# KiCad board RUSP_Mainboard.kicad_pcb (continued)
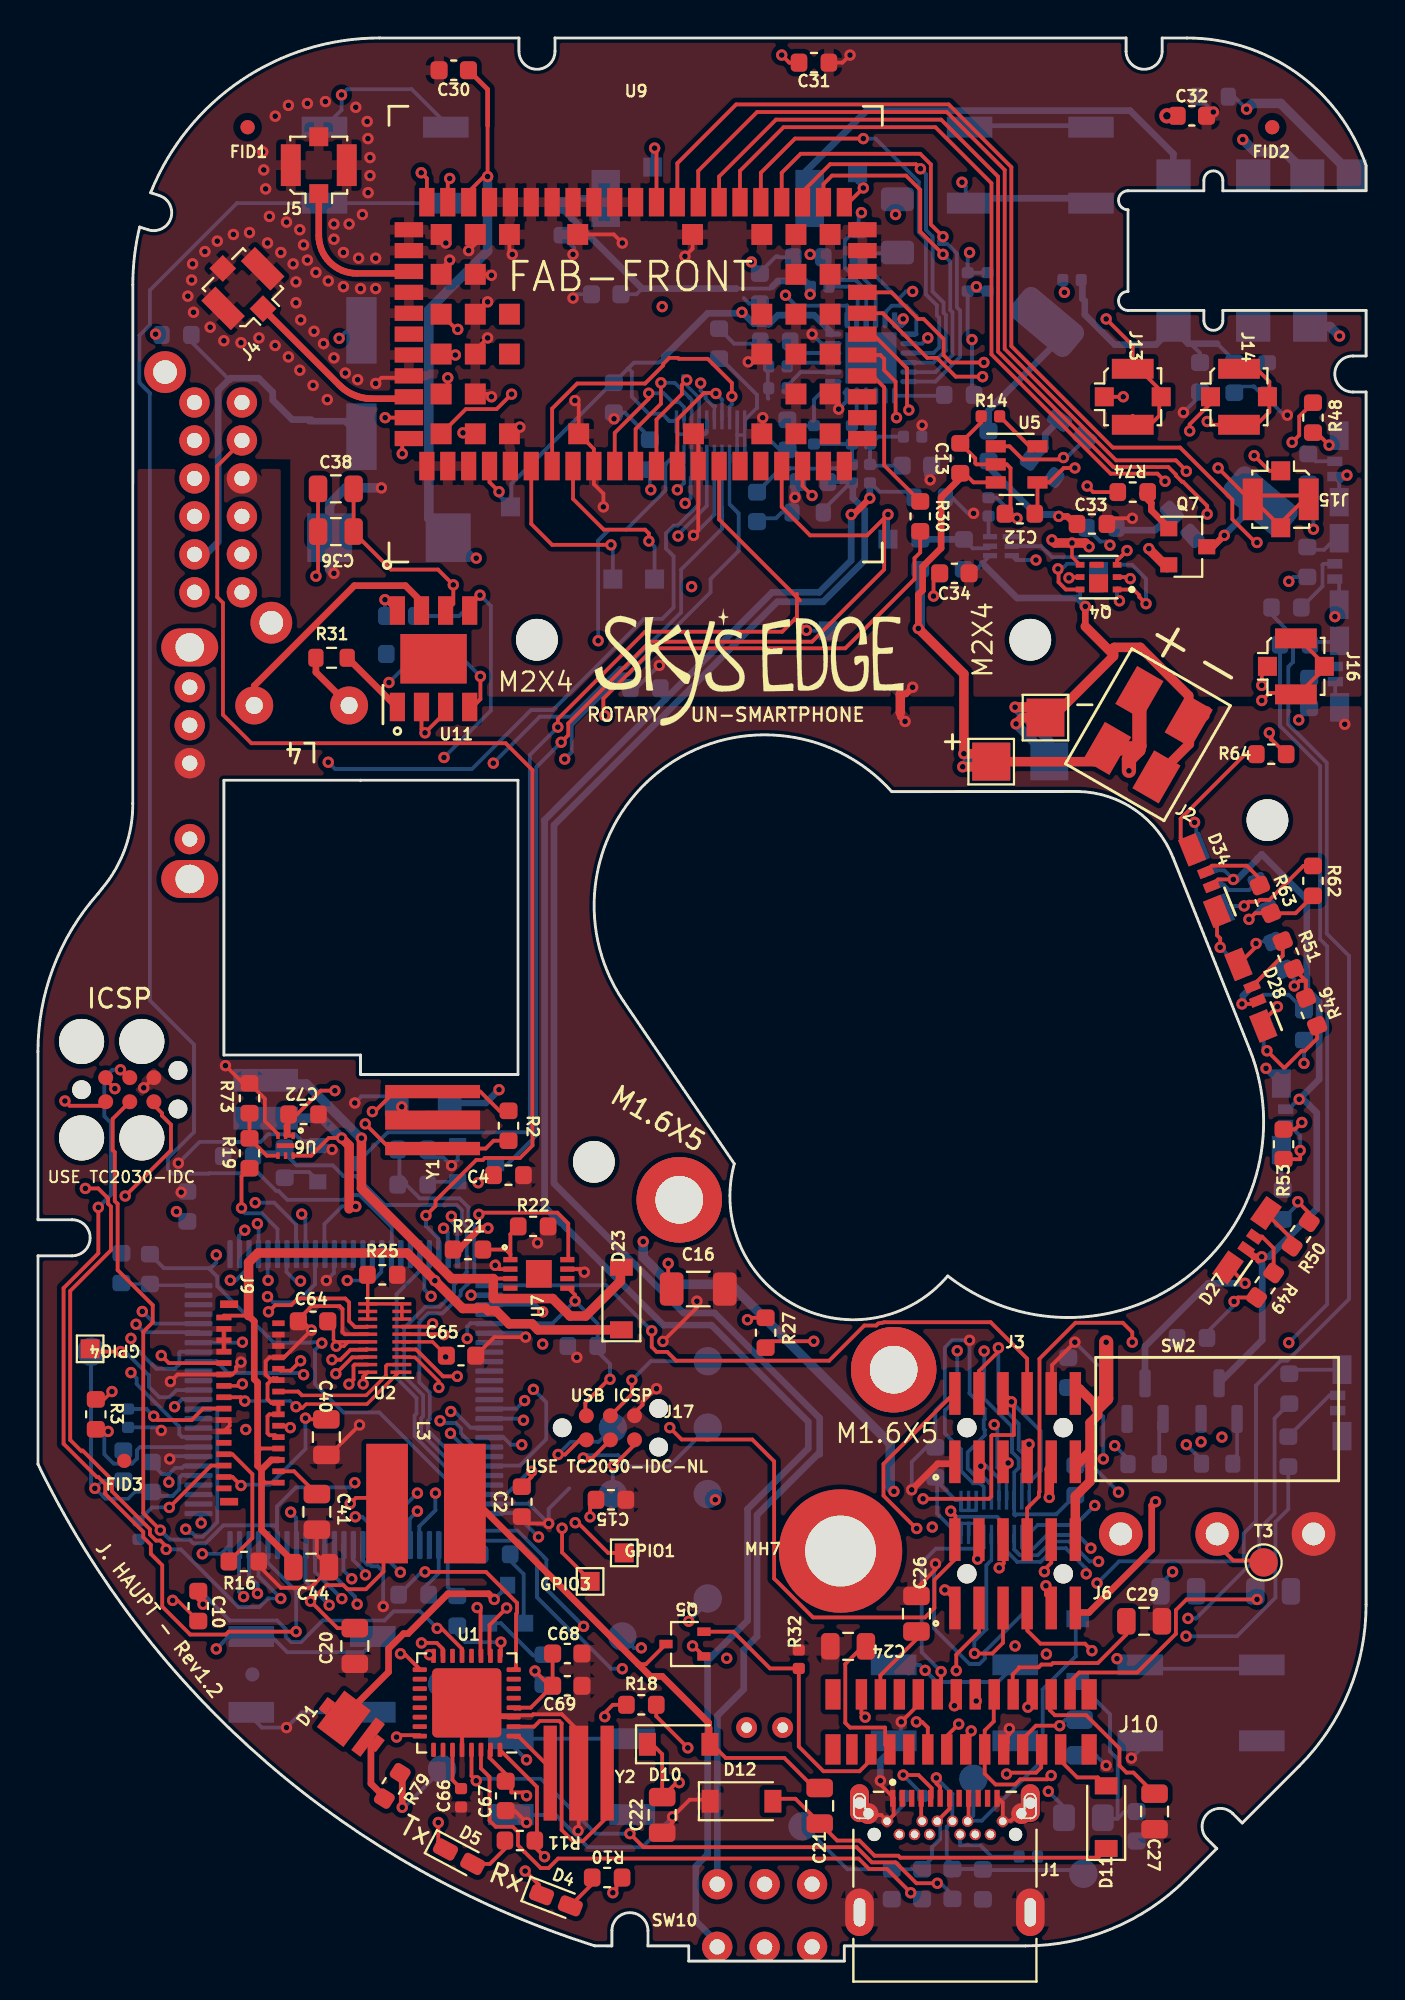
[diagram p0: board, top side]
## Routing (per net, layer and track width the routed paths; a pad name or vN(x,y) marks a point on that pad's centre or on a via; arc(x,y) is an arc through that point) (continued)
/3v3_EN: length 6
  L1_GND+GNDA.Cu w0.2: v1(10.73,39.67) 10.73,41.34 R19.2
  L6_GND.Cu w0.2: U4.56 12.62,38.56 11.79,39.39 10.91,39.39 10.85,39.45 10.85,39.55 v1(10.73,39.67)
/12v_EN: length 19.6
  L1_GND+GNDA.Cu w0.2: v1(23.24,39.33) 23.33,39.42 27.38,39.42 27.95,38.85 27.95,36.95
  L2_3v3+GNDA.Cu w0.2: v1(13.84,35.82) 14.62,36.6 20.51,36.6 v1(23.24,39.33)
  L6_GND.Cu w0.2: v1(13.84,35.82) 13.58,35.82 13.1,36.3 13.1,37.25
/EPAPER DRIVER/VDD: length 8.7
  L1_GND+GNDA.Cu w0.2: C29.1 57.36,17.2 55.86,15.7 53.49,15.7 53.41,15.62 52.89,15.62 52.74,15.47 51.7,15.47 51.7,15.42 51.37,15.1 51.37,14.03
GND: length 241.1
  L1_GND+GNDA.Cu w0.18: 54.94,73.53 54.5,73.97 v1(54.5,74.7)
  L1_GND+GNDA.Cu w0.2: v1(18.29,71.71) 18.86,71.14 U11.8 ; v1(51.2,12.24) 51.2,11.94 51.11,11.85 51.11,11.51 50.87,11.28 ; v1(26.33,37.83) 26.33,37.98 26.26,38.05 ; 48.33,18.36 48.33,19.02 v1(47.8,19.55) ; U2.15 16.18,33.02 16.05,33.15 16.05,34.35 15.9,34.5 14.42,34.5 13.62,33.7 ; v1(10.7,31.55) 10.45,31.3 10.45,31.1 10.25,30.9 J9.21 7.36,30.9 v1(6.98,30.52) ; v1(32.94,32.64) 34.73,34.43 v1(34.73,34.76) ; J9.29 J9.27 J9.25 ; 15.16,26.66 C40.2 15.37,26.66 v1(16.95,28.24) ; U1.33 23.25,12.95 26.05,12.95 26.1,13 27.61,13 ; C41.2 14.7,21.4 15.15,20.95 ; v1(45.5,12.6) 46.4,13.5 J10.8 ; v1(28.79,36.29) 28.63,36.45 U7.7 ; J9.11 10.1,28.2 10.1,28.4 10,28.5 J9.13 ; 15.3,20.6 14.36,19.66 12.8,19.66 11.64,20.82 R16.2 ; U1.28 22.35,12.55 22.6,12.8 ; 23.5,13.35 24,12.85 U1.3 ; C65.2 24.05,32.87 v1(25.7,32.87) ; U6.3 12.65,43.56 11.96,44.25 11.96,45.43 R73.1 10.81,46.24 v1(9.88,47.17) ; v1(54.65,32.6) 53.45,31.4 53.45,30.05 ; 44.3,7.69 44.3,7.69 44.45,7.69 44.75,7.39 ; R14.1 49.71,81.05 C13.1 49.4,79.16 49.4,78.9 49.46,78.84 U5.2 51.06,78.84 51.26,78.64 51.26,76.54 C12.2 51.2,76 v1(51.6,76) ; C64.2 13.95,33.7 v1(14.41,33.24) 12.97,31.8 J9.24 12.2,31.8 12,31.6 12,30.9 12.3,30.6 J9.20 12.67,30.62 12.6,30.7 12.4,30.7 12.1,30.4 12.1,29.6 12.3,29.4 J9.16 J9.14 12.2,28.8 12.1,28.7 12.1,27.8 12.2,27.7 12.5,27.7 12.6,27.6 J9.10 ; 13.8,33.7 13.9,33.6 ; U7.2 24.3,36.45 v1(24.1,36.65) ; v1(19.17,45) 19.87,44.3 Y1.2 ; v1(58.55,74.4) 58.75,74.4 Q7.2 ; C22.1 33.45,7.31 v1(33.45,7.6) 34.35,8.5 35.55,8.5 ; v1(26.92,23.05) 25.86,23.05 C2.2 25.8,23.72 ; 31.23,28.73 J17.6 31.44,28.88 31.87,29.3 31.87,29.47 32.55,30.15 v1(32.6,30.15) ; v1(44.4,9.5) 44.4,9.3 45.1,8.6 45.1,7.7 44.8,7.4 ; C38.1 14.76,73.06 v1(14.65,72.95) ; v1(28.46,6.86) 28.5,6.9 Y2.2 28.5,12.11 27.6,13.01 ; v1(47.3,20.92) 47.3,20.63 46.3,19.62 C26.2 ; 50.55,8.65 50.85,8.35 50.85,7.39 51.27,7.39 51.38,7.5 51.38,7.5 ; v1(25.75,7.3) 25.14,7.91 24.95,7.91 ; J7.6 v1(5.58,46)
  L1_GND+GNDA.Cu w0.35: NT2.1 45.45,65.55 v1(45.7,65.3) ; 48.33,26.06 48.33,26.17 48.3,26.2 47.42,26.2 v1(46.05,24.82) ; v1(58.55,74.4) 58.55,74.27 59.5,73.32
  L1_GND+GNDA.Cu w0.5: v1(55.4,74.5) 55.2,74.7 v1(54.5,74.7) 53.6,74.7 v1(53.44,74.86)
  L2_3v3+GNDA.Cu w0.2: v1(7.4,42.03) 7.4,43.65 5.58,45.48 v1(5.58,46)
  L6_GND.Cu w0.18: U8.15 50.25,25.07
  L6_GND.Cu w0.2: 50.05,88.9 50.02,88.93 C58.2 49,89.9 v1(49.1,90) ; v1(68.87,65.15) 68.6,65.42 68.6,66.05 ; SW8.2 13.9,13.1 v1(13.1,12.3) 11.8,12.3 11.2,12.9 ; 37.2,87.6 37.49,87.31 C56.2 38.05,87 ; C43.1 6.33,28.11 v1(6.5,27.95) ; 15.2,96.7 16,97.5 v1(16,98.3) 16.3,98.6 19.7,98.6 21.7,96.6 ; 68.35,78.15 68.58,77.92 68.58,76.85 ; 51.9,18.3 49.91,16.31 49.91,15.94 49.62,15.65 49.09,15.65 47.23,17.52 47.23,20.85 v1(47.3,20.92) ; v1(28.4,31.8) 27.92,32.27 C6.2 ; v1(15.2,35.85) 15.6,36.25 15.6,37.2 ; 7.88,40.23 7.61,40.5 v1(7.55,40.5) ; SW3.2 58.1,11.17 v1(57.63,10.69) ; 50.25,25.07 49.81,25.52 49.43,25.52 49,25.95 49,26.8 49.9,27.7 49.9,27.98 49.85,28.03 49.85,28.49 49.9,28.54 49.9,29.1 49.1,29.9 v1(49.1,32.7) 48.19,32.7 47.8,32.31 47.8,29.5 47.3,29 R75.2 46.83,27.06 46.05,26.29 v1(46.05,24.82) ; v1(45.2,92) 45.3,92.1 C57.2 ; 45.75,86.34 45.55,86.14 U12.12 45.24,86.14 v1(45.6,86.5) ; v1(7.4,42.03) 8.52,43.15 11.73,43.15 12.13,43.55 13.55,43.55 13.9,43.2 14.35,43.2 ; 47.5,27.04 47.42,27.11 ; 24.6,7.7 27.29,7.7 28.99,6 31.85,6 v1(33.45,7.6) ; C17.2 18.55,45.55 17.05,45.55 v1(16.7,45.2) ; 44.8,7.4 45.67,8.26 R5.2 ; v1(68.36,70.82) 68.58,71.04 68.58,72.72 68.45,72.85 ; v1(18.29,71.71) 18.29,70.96 18.3,70.95 ; SW6.2 45.5,12 v1(45.5,12.6) ; 20.36,42.32 21.38,42.32 v1(21.8,41.9) 22.12,42.23 Q1.2 ; 28,24.9 26.92,23.82 v1(26.92,23.05) 25.87,24.1 23.75,24.1 ; v1(51.2,12.24) 51.5,11.94 SW6.2 ; C25.2 55.76,10.84 v1(56.3,10.3) ; 68.37,67.4 68.37,66.33 68.55,66.15 ; 68.58,77.86 v1(68.99,78.27) ; R13.1 50.52,77.08 v1(51.6,76) ; v1(15.87,85.48) 16.19,85.8 17.05,85.8 ; Q6.2 24.4,17.8 26.1,16.1 26.85,16.1 ; 8.5,26.6 7.09,26.6 v1(6.94,26.45) ; 23.75,33.1 25.47,33.1 v1(25.7,32.87) ; 55.85,31.4 v1(54.65,32.6) 54.3,32.25 54.3,31.48 ; 55.7,96.6 56.2,96.6 ; 47.42,27.1 47.48,27.05 ; 17.1,21.95 17.1,21.14 17.35,20.89 17.49,20.89 17.58,20.8 17.91,20.8 18.2,20.51 v1(18.2,18.68) ; v1(15.5,42.75) 15.3,42.95 Q2.2 ; 25.8,7.6 25.8,7.35 v1(25.75,7.3)
  L6_GND.Cu w0.25: 48.9,96.6 48.98,96.68 55.62,96.68 55.7,96.6
  L6_GND.Cu w0.35: v1(44.4,9.5) 44.4,10.55 44.9,11.05
GNDA: length 79.2
  L1_GND+GNDA.Cu w0.2: U9.73 23.05,84.85 v1(23.7,85.5) ; U9.74 v1(23.7,87.4) ; U9.76 23.05,90.45 v1(22.7,90.1) ; U9.77 25.2,80.8 v1(25.4,80.8) ; U9.99 37.85,84.65 v1(37.44,84.24) ; C31.2 42.4,100 v1(42.8,100.4) ; U9.92 42.2,82.1 v1(42.2,81.75) ; v1(34.1,89.8) 34.5,90.2 U9.82 ; v1(23.9,88.8) 23.85,88.85 U9.75 ; v1(57.68,76) 56.65,76 56.4,75.75 ; v1(38.2,81.3) 38.2,80.5 U9.83 ; v1(34.55,75.1) 34.8,75.35 U9.14 34.8,80.2 U9.81 ; v1(22.4,80.5) 23,80.5 U9.71 ; U9.78 24.85,90.05 v1(25,89.9) ; v1(28.3,82.2) 28.5,82 U9.79 29.3,79.65 U9.9 29.3,77.8 29.8,77.3 v1(29.8,76.6) ; 19.3,83.4 18.1,83.4 v1(17.8,83.1) ; v1(21.5,90.5) 21.25,90.75 U9.70 ; 17.5,95.89 v1(17.39,96) ; U9.69 21.25,89.15 v1(21.7,89.6) ; v1(23.9,82.4) 23.75,82.55 U9.72 ; v1(30.8,90.5) 30.35,90.95 U9.80 ; 15.05,85 v1(15.05,85.2)
  L1_GND+GNDA.Cu w0.35: NT2.2 45.75,66.75 v1(46.1,67.1) ; 61.75,97.2 v1(61.95,97.4)
  L3_3v8+GNDA.Cu w0.2: v1(22.4,80.5) 22.6,80.7
  L6_GND.Cu w0.2: 46.81,78.77 46.81,78.24 v1(47.02,78.02) ; 39.77,76.47 39.77,77.41 40.33,77.96 ; 38.5,85.25 38.46,85.21 38.46,82.33 38.5,82.3 ; v1(30.36,81.24) 30.35,81.25 C39.2 30.94,81.56 32.25,80.25 C42.2 ; v1(34.55,75.1) 35.65,76.2 U10.15 ; v1(42.2,81.75) 42.65,82.2 U12.24 42.5,82.61 ; v1(61.95,97.4) 61.14,98.21 61.08,98.21 ; 63.2,82.94 64.09,82.94 64.5,82.53 ; v1(37.44,84.24) 38.28,84.24 38.52,84 ; v1(32.75,68.25) 32.73,68.25 31.53,67.05 ; 46.58,80.3 46.58,80.88 v1(46.6,80.9) ; U12.5 41.3,85.2 v1(40.8,85.7) ; v1(28.2,89.9) 28.25,89.85 28.25,89.8 28.25,90.25 27.65,90.85 ; C49.2 38.12,75.82 38.3,76 38.9,76 39.2,76.3 D16.2 ; R33.2 36.69,85.2 38.52,85.2 ; C47.2 40.06,77.26 v1(39.9,77.1) ; v1(49.31,76.26) 49.01,76.26 47.87,77.4 ; 64.6,82.5 65.67,81.43 v1(65.85,81.43) ; v1(28.2,87.6) 28.4,87.8 C61.2 ; 40.19,79.19 40.19,79.22 39.5,79.91 ; C60.2 61.25,82.45 v1(60.37,81.57) ; C50.2 39.09,79.61 38.2,80.5 v1(38.2,81.3)
  L6_GND.Cu w0.5: v1(15.6,73.1) 15.38,73.32 15.38,76.75 16.22,77.6 v1(18.1,77.6)
  vias: v1(7.9,87.7) v1(8.15,89.4) v1(8.1,88.55) v1(8.2,86.85) v1(8.8,90.05) v1(9.08,86.07) v1(9.45,90.6) v1(9.8,85.35) v1(10.3,90.95) v1(10.7,85.25) v1(11.15,91.05) v1(11.65,85.5) v1(11.85,95.3) v1(11.9,94.35) v1(12,93.35) v1(12.1,90.5) v1(12.2,91.9) v1(12.51,97.18) v1(12.5,85.1) v1(12.8,90) v1(13.1,91.6) v1(13.2,97.75) v1(13.2,84.5) v1(13.45,89.4) v1(13.6,88.45) v1(13.6,87.35) v1(13.8,91.2) v1(13.85,86.45) v1(13.8,83.8) v1(14,90.4) v1(14.2,97.85) v1(14.2,89.6) v1(14.55,85.85) v1(14.5,83) v1(14.65,88.95) v1(15.15,97.95) v1(15.3,88.5) v1(15.25,82.25) v1(15.6,91.5) v1(15.6,90.7) v1(15.6,84.45) v1(16.1,90) v1(16.1,88.2) v1(16.2,83.65) v1(16.4,91.5) v1(16.75,97.65) v1(16.9,89.7) v1(16.85,83.3) v1(17,88.1) v1(17.1,92) v1(17.35,96.9) v1(17.4,93.15) v1(17.5,95) v1(17.5,94.05) v1(17.8,89.7) v1(17.8,88.1)
VBUS: length 125
  L1_GND+GNDA.Cu w0.2: v1(54.65,78.65) 54.07,78.65 53.31,77.89 U5.4 52.68,76.38 C12.1 ; v1(25.75,8.71) 25.58,8.88 24.95,8.88 24.95,9.56 23.8,10.71 23.8,11.1 ; J6.3 49.59,18.59 49.59,17.34 48.4,16.14 v1(48.4,15.3)
  L2_3v3+GNDA.Cu w0.2: v1(53.25,8.94) 50,12.19 50,13.93 49.68,14.25 49.22,14.25 48.4,15.07 v1(48.4,15.3) 48.4,15.27 46.89,13.77 45.43,13.77 45.06,13.4 41.78,13.4 39.08,10.7 34.53,10.7 34.52,10.68 32.58,10.68 30.61,8.71 v1(25.75,8.71)
  L4_GND.Cu w0.5: v1(54.65,78.65) 56.05,78.65 59.5,75.2 59.5,70 59.1,69.6 59.1,62.83 64.9,57.03 64.9,53.31 64.85,53.26 64.85,51.74 66.03,50.56 66.03,47.34 65.52,46.84 65.52,39.11 61.1,34.69 61.1,33.26 51.77,23.93 51.77,19.71 48.4,16.33 v1(48.4,15.3)
  L6_GND.Cu w0.2: R17.2 54.07,78.65 v1(54.65,78.65) ; L1.2 54.08,8.12 v1(53.25,8.94)
+BATT: length 149.5
  L1_GND+GNDA.Cu w0.2: U5.3 49.31,77.89 48.83,78.37 C13.2
  L1_GND+GNDA.Cu w0.35: v1(46.4,70.2) 46.4,71.98 46.62,72.21 46.62,73.45 47.6,74.43 47.6,77.1 48.61,78.11 C13.2
  L1_GND+GNDA.Cu w0.5: v1(46.4,70.2) 48.8,67.8 v1(48.8,63.6) 49.82,63.6 TP2.1 ; 54.67,22.44 54.67,24.49 55.45,25.26 55.45,28.35 55.85,28.75 55.85,29.19 54.9,30.13 54.67,30.13 ; TP2.1 49.97,62.91 v1(48.74,62.91) ; TP2.1 55.65,63.18 J2.2 ; 54.67,26.06 55.45,26.84
  L1_GND+GNDA.Cu w0.75: v1(56.3,32.6) 56.3,29.64 55.85,29.19 ; 57.92,63.88 58.05,64.01 J2.2 ; 57.92,63.88 58,63.8 57.5,63.3 v1(57.5,62.7) ; 57.92,63.88 J2.2
  L2_3v3+GNDA.Cu w0.35: 8.7,80.05 9.5,80.85 9.5,82.7 10.08,83.28 11.74,83.28 12.38,82.64 12.38,81.12 26.9,66.6 42.8,66.6 v1(46.4,70.2)
  L5_3v8.Cu w0.75: v1(56.3,32.6) 57.38,33.68 64.95,33.68 68.08,36.8 68.08,52.02 66.7,53.4 66.7,55.76 63.08,59.39 63.08,59.47 58.75,63.8 58,63.8 ; v1(57.5,62.7) 58,63.2
  L6_GND.Cu w0.5: v1(46.4,70.2) 46.5,70.3 R12.1 ; v1(48.74,62.91) 49.02,63.19 TP4.1 49.84,63.6 v1(48.8,63.6)
/AREF: length 3.8
  L1_GND+GNDA.Cu w0.2: C2.1 26.02,25.51 v1(26.02,25.8)
  L6_GND.Cu w0.2: 23.75,24.6 24.7,24.6 25.9,25.8 v1(26.02,25.8)
/AUDIO/BLCK: length 24.8
  L1_GND+GNDA.Cu w0.2: v1(47.7,90.84) 47.06,91.47 47.06,94.64 46.5,95.2 40.2,95.2 39.2,94.2 U9.36
  L6_GND.Cu w0.2: U12.18 47.3,83.2 48.6,84.5 48.6,86.94 48.43,87.11 48.43,89.95 47.93,90.45 47.5,90.45 47.5,90.64 v1(47.7,90.84)
/AUDIO/LRCLK: length 18.9
  L1_GND+GNDA.Cu w0.2: v1(47.7,89.9) 46.5,91.1 46.5,93.3 45.75,94.05 41.85,94.05 41.4,93.6 U9.34
  L6_GND.Cu w0.2: v1(47.7,89.9) 48.08,89.52 48.08,86.97 48.2,86.85 48.2,84.59 47.31,83.7 U12.17
/AUDIO/MCLK: length 14
  L1_GND+GNDA.Cu w0.2: v1(40.8,77.2) 40.3,77.7 U9.19
  L2_3v3+GNDA.Cu w0.2: v1(46.9,85.5) 44.7,83.3 44.7,81.1 v1(40.8,77.2)
  L6_GND.Cu w0.2: v1(46.9,85.5) 46.6,85.2 U12.14
/AUDIO/SCL: length 24.9
  L1_GND+GNDA.Cu w0.2: U9.27 44,85.7 45.8,83.9 45.8,81.7 v1(45.9,81.7)
  L4_GND.Cu w0.2: v1(43.4,92.1) 42.8,91.5 42.8,89 43.2,88.6 43.2,84.3 43.3,84.3 v1(45.9,81.7)
  L6_GND.Cu w0.2: R37.2 43.25,91.95 v1(43.4,92.1) ; 43.1,91.2 42.53,90.63 42.53,89.2 42.83,88.9 43.24,88.9 43.97,88.17 43.97,88.05 44.15,87.87 U12.10 ; 43.25,91.25 43.25,91.6
/AUDIO/SDA: length 20.6
  L1_GND+GNDA.Cu w0.2: v1(40.7,89.9) 40.8,89.8 ; U9.26 44.4,84.6 44.6,84.4 44.6,83.8 45.2,83.2 45.2,81.3 v1(45.25,81.3)
  L4_GND.Cu w0.2: v1(45.25,81.3) 45.25,81.45 42.7,84 42.7,87.9 v1(40.7,89.9)
  L6_GND.Cu w0.2: R36.2 40.85,89.75 v1(40.7,89.9) ; U12.9 43.65,87.88 43.62,87.9 43.62,88.03 43.15,88.5 43.1,88.55 42.35,88.55 41.7,89.2 ; 41.68,89.2 41.68,89.51
/AUDIO/SDIN: length 20.1
  L1_GND+GNDA.Cu w0.2: U9.35 40.3,93.2 41.75,94.65 46.27,94.65 v1(46.51,94.41)
  L6_GND.Cu w0.2: v1(46.51,94.41) 46.8,94.12 46.8,91.2 47.15,90.85 47.15,87.94 47.73,87.36 47.73,86.83 47.85,86.71 47.85,84.85 47.2,84.2 U12.16
/AUDIO/SDOUT: length 22.8
  L1_GND+GNDA.Cu w0.2: v1(43.5,96) 39.9,96 38.1,94.2 U9.37
  L6_GND.Cu w0.2: U12.15 47.2,84.7 47.5,85 47.5,86.56 47.38,86.68 47.38,87.22 46.8,87.8 46.8,90.7 46.42,91.08 46.42,93.72 44.14,96 v1(43.5,96)
/CELL MODEM/ANT1: length 7.8
  L1_GND+GNDA.Cu w0.35: 19.3,88.9 16.8,88.9 16.6,88.91 16.41,88.94 16.22,88.99 16.03,89.05 15.86,89.14 15.69,89.24 15.53,89.35 15.39,89.49 15.25,89.63 15.14,89.79 15.04,89.96 14.95,90.13 14.89,90.32 14.84,90.51 14.81,90.7 14.8,90.9 J5.1
/CELL MODEM/ANT2: length 9.3
  L1_GND+GNDA.Cu w0.35: 19.3,82.3 17.6,82.3 17.48,82.3 17.36,82.31 17.25,82.33 17.13,82.35 17.01,82.37 16.9,82.4 16.79,82.44 16.68,82.48 16.57,82.53 16.46,82.59 16.36,82.64 16.26,82.71 16.16,82.78 16.07,82.85 15.98,82.93 15.89,83.01 J4.1
/CELL MODEM/CTS_1v8: length 8.2
  L1_GND+GNDA.Cu w0.2: v1(32.83,83.13) 32.83,82.03 31.5,80.7 U9.11
  L6_GND.Cu w0.18: U10.3 34.45,82.25 34.3,82.4
  L6_GND.Cu w0.2: v1(32.83,83.13) 33.57,83.13 34.35,82.35 ; 34.35,82.35 34.4,82.3 ; 34.35,82.35 34.3,82.4
/CELL MODEM/DCD_1v8: length 9
  L1_GND+GNDA.Cu w0.2: U9.8 28.2,77.02 29.82,75.4 32,75.4 32.2,75.2 v1(32.2,74.8)
  L6_GND.Cu w0.2: T9.1 32.5,74.5 v1(32.2,74.8)
/CELL MODEM/DSR_1v8: length 9.6
  L1_GND+GNDA.Cu w0.2: v1(30.2,74.6) 27.1,74.6 26,75.7 U9.6
  L6_GND.Cu w0.2: 30.3,72.75 30.3,74.4 30.2,74.5 v1(30.2,74.6)
/CELL MODEM/NETSTAT: length 8.2
  L1_GND+GNDA.Cu w0.2: U9.25 44,83.5 44.6,82.9 44.6,78.79 R30.1
/CELL MODEM/RI_1v8: length 16
  L1_GND+GNDA.Cu w0.2: U9.7 27.1,81.78 28.42,83.1 32,83.1 32.95,84.05 32.95,84.13 33.27,84.45 33.73,84.45 33.78,84.4 35.3,84.4 36.57,83.13 v1(36.57,82.42)
  L6_GND.Cu w0.18: 36.45,81.87 36.45,81.37
  L6_GND.Cu w0.2: 36.45,81.87 36.57,81.99 v1(36.57,82.42)
/CELL MODEM/RTS_1v8: length 7.7
  L1_GND+GNDA.Cu w0.2: U9.10 30.4,80.5 32.19,82.29 v1(32.19,82.59)
  L6_GND.Cu w0.18: 33.45,82.12 33.79,82.12 34.05,81.86 U10.2
  L6_GND.Cu w0.2: v1(32.19,82.59) 32.98,82.59 33.45,82.12 33.68,82.12
/CELL MODEM/RXD_1v8: length 6.6
  L1_GND+GNDA.Cu w0.2: U9.13 33.7,81.2 35.1,82.6 35.7,82.6 v1(35.73,82.57)
  L6_GND.Cu w0.18: U10.7 36.05,82.25
  L6_GND.Cu w0.2: 36.05,82.25 36.05,82.25 v1(35.73,82.57)
/CELL MODEM/SDIO-CLK: length 48
  L1_GND+GNDA.Cu w0.2: J14.1 61.8,82.05 60.7,80.95 v1(60.7,80.6) ; v1(19.2,79.4) 19.2,79.85 U9.64
  L3_3v8+GNDA.Cu w0.2: v1(60.7,80.6) 60.3,80.6 59.1,81.8 56.6,81.8 56.2,82.2 46.18,82.2 46.08,82.3 37.47,82.3 35.82,83.95 27.64,83.95 25.09,81.4 21.2,81.4 v1(19.2,79.4)
/CELL MODEM/SDIO-CMD: length 50.7
  L1_GND+GNDA.Cu w0.2: v1(61.63,81.1) 61.8,80.92 J14.2 64.23,80.92 64.9,81.6 64.9,83.2 64.3,83.8 63.3,83.8 ; v1(24.96,82.54) 24.17,81.75 22.55,81.75 U9.65
  L3_3v8+GNDA.Cu w0.2: v1(24.96,82.54) 25.22,82.54 27.38,84.7 36.2,84.7 37.32,83.58 42.02,83.58 42.6,83 46.37,83 46.47,82.9 56.92,82.9 56.97,82.95 59.77,82.95 v1(61.63,81.1)
/CELL MODEM/SDIO-D0: length 40
  L1_GND+GNDA.Cu w0.2: U9.66 21.6,82.9 v1(21.6,83.4) ; v1(57.2,82.4) J13.1
  L3_3v8+GNDA.Cu w0.2: v1(57.2,82.4) 57.05,82.55 46.32,82.55 46.22,82.65 37.65,82.65 36,84.3 27.5,84.3 25.1,81.9 24.18,81.9 24.13,81.85 23.15,81.85 v1(21.6,83.4)
/CELL MODEM/SDIO-D1: length 44.8
  L1_GND+GNDA.Cu w0.2: v1(22.13,85.95) 22.05,85.95 U9.68 ; 57.7,83.88 57.7,85.1 v1(56.3,86.5) ; 57.7,81.4 J13.2 58.62,80.92 59.1,81.4 59.1,82.8 58.1,83.8 57.7,83.8
  L3_3v8+GNDA.Cu w0.2: v1(22.13,85.95) 22.78,86.6 36.57,86.6 36.87,86.3 37.33,86.3 37.93,86.9 45.22,86.9 45.37,87.05 55.75,87.05 v1(56.3,86.5)
/CELL MODEM/SDIO-D2: length 54.1
  L1_GND+GNDA.Cu w0.2: v1(64.1,79.3) 64.9,78.5 J15.1 ; v1(18.3,81.3) U9.63
  L3_3v8+GNDA.Cu w0.2: v1(64.1,79.3) 64.1,81.72 61.04,84.78 44.26,84.78 43.99,85.05 27.05,85.05 26,84 21,84 v1(18.3,81.3)
/CELL MODEM/SDIO-D3: length 60.6
  L1_GND+GNDA.Cu w0.2: J15.2 65.5,75.75 66.6,76.85 ; 65.5,75.55 64.25,76.8 ; 66.5,77.2 63.65,77.2 v1(62.2,78.65) ; U9.67 21.3,84.6 v1(22,84.6)
  L3_3v8+GNDA.Cu w0.2: v1(62.2,78.65) 64.53,78.65 64.65,78.77 64.65,81.66 60.48,85.84 55.36,85.84 54.8,86.4 46.15,86.4 46.15,86.27 45.83,85.95 45.08,85.95 44.48,86.55 38.07,86.55 37.47,85.95 25.55,85.95 24.2,84.6 v1(22,84.6)
/CELL MODEM/TXD_1v8: length 8.2
  L1_GND+GNDA.Cu w0.2: U9.12 32.6,81.2 33.94,82.54 33.94,83.03 v1(34.19,83.28)
  L6_GND.Cu w0.18: 34,83.5 34,83.18 34.85,82.33 U10.4
  L6_GND.Cu w0.2: 34,83.5 34.19,83.31 v1(34.19,83.28)
/CELL MODEM/USB_D+: length 38.1
  L1_GND+GNDA.Cu w0.2: 64.9,68.2 64.5,67.8 v1(64.5,67.2) ; U9.29 44.98,87.9 46.38,86.5 46.68,86.5 47.73,85.45 47.73,84.59 48.12,84.21 v1(49.86,84.21)
  L2_3v3+GNDA.Cu w0.2: v1(49.86,84.21) 50.34,83.73 50.34,83.23 50.29,83.19 50.29,75.2 54.85,70.64 54.85,67.64 55.29,67.2 v1(64.5,67.2)
/CELL MODEM/USB_D-: length 42.2
  L1_GND+GNDA.Cu w0.2: 65.9,66.8 64.9,66.8 v1(64.5,66.4) ; v1(49.79,83.46) 48.37,83.46 47.38,84.45 46.87,84.45 44.52,86.8 U9.28 ; 66.1,69.6 66.5,69.6 67.9,68.2 66.42,66.72 J16.2
  L2_3v3+GNDA.Cu w0.2: v1(49.79,83.46) 49.79,83.46 49.79,83.09 49.94,82.94 49.94,75.06 54.5,70.5 54.5,67.49 55.19,66.8 64.1,66.8 v1(64.5,66.4)
/CELL_CTS: length 61.3
  L5_3v8.Cu w0.2: v1(21.74,27.8) 22.79,27.8 24.2,29.21 24.2,35.97 24.65,36.42 24.65,36.64 25.43,37.42 25.43,38.4 24.98,38.85 24.98,44.05 26.38,45.45 26.38,60.48 35.1,69.2 35.1,75.9 34.21,76.79 v1(34.11,76.79)
  L6_GND.Cu w0.18: U10.18 34.45,78.17
  L6_GND.Cu w0.2: 23.8,26.57 22.97,26.57 v1(21.74,27.8) ; v1(34.11,76.79) 34.4,77.08 34.4,78.12 34.45,78.17
/CELL_ON: length 30.8
  L6_GND.Cu w0.2: 23.8,25.1 22.91,25.1 20.2,27.8 20.2,28.6 20.3,28.7 20.3,29.8 19.3,30.8 19.3,33.34 20.43,34.47 21.17,34.47 21.93,35.22 21.93,35.62 22.6,36.29 22.6,38.66 22.34,38.92 22.34,39.56 22.08,39.82 18.28,39.82 16.75,41.35 16.1,41.35 15.53,41.92 13.63,41.92 13.02,42.52 ; 13,42.6 11.8,42.6 11.65,42.45
/CELL_PWR_DET: length 60.6
  L4_GND.Cu w0.2: v1(26.11,30.12) 26.11,30.74 24.7,32.16 24.7,40.46 24.71,40.47 24.71,41.51 28.15,44.96 28.15,61.21 29.32,62.38 29.32,69.35 v1(29.52,69.55)
  L6_GND.Cu w0.2: 23.75,26.1 25.4,26.1 26.79,27.49 26.79,29.44 v1(26.11,30.12) ; v1(29.52,69.55) 29.52,74.82 30.1,75.4 31,75.4 33.08,77.48 33.08,78.86 33.6,79.38
/CELL_RESET: length 23.7
  L6_GND.Cu w0.2: 19.35,41.02 19.35,40.95 20.12,40.17 22.22,40.17 22.69,39.71 22.69,39.07 23,38.76 23,36 22.62,35.62 22.6,35.62 22.28,35.3 22.28,35.08 21.32,34.12 20.57,34.12 20.1,33.65 20.1,30.5 20.65,29.95 20.65,28.55 20.55,28.45 20.55,27.95 22.87,25.62 23.62,25.62 ; 19.42,41.02 19.05,41.4 19.05,42.8
/CELL_RI: length 84.4
  L4_GND.Cu w0.2: v1(27.76,63.32) 27,62.55 27,46.1 21,40.1 21,39.01 17.29,35.3 14.09,35.3 12.09,33.3 8.79,33.3 4.85,29.36 4.85,24.97 6.47,23.35 6.86,23.35 7.22,22.99 7.22,22.38 7.48,22.12 7.87,22.12 7.89,22.1 11.77,22.1 v1(13.32,23.65)
  L6_GND.Cu w0.18: U10.13 36.45,76.74
  L6_GND.Cu w0.2: v1(27.76,63.32) 28.12,63.68 28.12,65.09 30.81,67.78 31.13,67.78 35.45,72.1 35.45,72.8 36.93,74.28 36.93,76.26 36.45,76.74 ; v1(13.32,23.65) 13.6,23.37 13.6,21.95
/CELL_RTS: length 64.8
  L5_3v8.Cu w0.2: v1(21.19,28.46) 21.19,27.48 21.42,27.25 22.74,27.25 24.55,29.06 24.55,35.83 25.78,37.06 25.78,38.54 25.33,38.99 25.33,43.9 26.73,45.3 26.73,60.33 35.45,69.06 35.45,76.23 34.18,77.5 v1(33.7,77.5)
  L6_GND.Cu w0.18: U10.19 34.05,78.68
  L6_GND.Cu w0.2: v1(33.7,77.5) 34.05,77.85 34.05,78.68 ; v1(21.19,28.46) 21.3,28.35 22.01,28.35 22.29,28.06 22.29,27.8 23,27.1 23.73,27.1
/CELL_RXD: length 75.1
  L2_3v3+GNDA.Cu w0.2: v1(24,63.1) 23.7,62.8 17.61,62.8 16.71,63.7 10.4,63.7 5.4,58.7 5.4,51.31 8.4,48.31 8.4,37.91 4.87,34.38 4.87,33.84 v1(5.17,33.54)
  L6_GND.Cu w0.18: U10.14 36.05,76.6
  L6_GND.Cu w0.2: 36.05,76.6 36.05,75.45 33.9,73.3 33.9,71.04 30.98,68.12 30.67,68.12 28.1,65.55 26.45,65.55 v1(24,63.1) ; v1(5.17,33.54) 5.58,33.13 8.5,33.13
/CELL_TXD: length 72.7
  L2_3v3+GNDA.Cu w0.2: v1(5.5,34.22) 8.75,37.47 8.75,48.45 5.75,51.45 5.75,58.56 10.49,63.3 15.15,63.3 v1(15.3,63.15)
  L6_GND.Cu w0.18: U10.17 34.85,77.76
  L6_GND.Cu w0.2: 8.5,33.58 6.14,33.58 v1(5.5,34.22) ; v1(15.3,63.15) 15.65,62.8 22.89,62.8 25.99,65.9 27.14,65.9 31.94,70.7 32.9,70.7 33.5,71.3 33.5,74 33.1,74.4 33.1,75.2 33.51,75.61 33.71,75.61 34.85,76.75 34.85,77.76
/EPAPER DRIVER/EPD_CS_3v3: length 21.4
  L1_GND+GNDA.Cu w0.2: v1(48.3,13.45) 48.4,13.55 J10.12
  L3_3v8+GNDA.Cu w0.2: v1(48.3,13.45) 48.6,13.15 49.71,13.15 50.3,13.74 50.3,19.04 53.01,21.75 54.72,21.75 55.42,21.05 v1(55.9,21.05)
  L6_GND.Cu w0.18: U8.3 51.45,21.69
  L6_GND.Cu w0.2: v1(55.9,21.05) 55.42,21.05 54.37,22.1 53.42,22.1 52.69,21.38 51.76,21.38 51.45,21.69
/EPAPER DRIVER/EPD_DC_3v3: length 22.5
  L1_GND+GNDA.Cu w0.2: J10.11 47.9,11.86 v1(48.53,12.48)
  L3_3v8+GNDA.Cu w0.2: v1(48.53,12.48) 48.72,12.67 50.52,12.67 52.35,14.5 52.35,20.6 53.15,21.4 54.52,21.4 55.25,20.67 v1(55.25,20.4)
  L6_GND.Cu w0.18: U8.4 51.05,21.59
  L6_GND.Cu w0.2: v1(55.25,20.4) 55.25,20.67 54.17,21.75 53.56,21.75 52.84,21.03 51.61,21.03 51.05,21.59
/EPAPER DRIVER/EPD_MOSI_3v3: length 17.9
  L1_GND+GNDA.Cu w0.2: v1(49.45,13.7) 49.4,13.75 J10.14
  L3_3v8+GNDA.Cu w0.2: v1(55.49,21.75) 55.14,22.1 52.86,22.1 49.95,19.19 49.95,14.2 v1(49.45,13.7)
  L6_GND.Cu w0.18: 51.9,21.73 51.85,21.78 U8.2
  L6_GND.Cu w0.2: 51.9,21.73 52.46,21.73 53.18,22.45 54.79,22.45 v1(55.49,21.75)
/EPAPER DRIVER/EPD_RES_3v3: length 11.7
  L1_GND+GNDA.Cu w0.2: 47.42,14.07 47.6,14.25 v1(47.6,15.25)
  L6_GND.Cu w0.18: U8.7 49.85,21.78
  L6_GND.Cu w0.2: 49.85,21.78 49.8,21.73 47.33,21.73 46.57,20.97 46.57,16.28 v1(47.6,15.25)
/EPAPER DRIVER/EPD_SCK_3v3: length 20.1
  L1_GND+GNDA.Cu w0.2: v1(49.19,12.13) 48.9,11.84 J10.13
  L4_GND.Cu w0.2: 48.85,14.75 48.85,13.3 49.19,12.96 v1(49.19,12.13) ; 48.84,14.74 52.27,18.17 52.27,20.64 55.63,24 v1(55.7,24)
  L6_GND.Cu w0.18: U8.1 52.7,22.97
  L6_GND.Cu w0.2: 52.7,22.97 54.67,22.97 v1(55.7,24)
/EPAPER DRIVER/GDR: length 13.3
  L1_GND+GNDA.Cu w0.2: Q5.1 34.55,16.6 v1(34.5,16.6) ; J10.2 43.4,13.05 v1(43.6,12.85)
  L3_3v8+GNDA.Cu w0.2: v1(43.6,12.85) 41.15,12.85 39.7,14.3 35.9,14.3 34.5,15.7 v1(34.5,16.6)
/EPAPER DRIVER/PREVGH: length 25.5
  L1_GND+GNDA.Cu w0.2: 52.87,11.12 52.87,10.2 52.6,9.93 51.12,9.93 v1(51.05,9.85) ; 32.1,11.7 32.9,10.9 C22.2 33.76,9.5 33.76,9.44 v1(33.8,9.4)
  L2_3v3+GNDA.Cu w0.2: v1(33.8,9.4) 34.75,10.35 50.55,10.35 v1(51.05,9.85)
/EPAPER DRIVER/PREVGL: length 3.6
  L1_GND+GNDA.Cu w0.2: 53.95,11.17 53.95,10.5 54.77,9.68 55.85,9.68 D11.2
/EPAPER DRIVER/RESE: length 15.1
  L1_GND+GNDA.Cu w0.2: J10.3 43.9,10.6 43.3,10 41.4,10 40.1,11.3 R32.1 38.58,15.41 36.65,17.35 Q5.2
/EPAPER DRIVER/VCOM: length 13.5
  L1_GND+GNDA.Cu w0.2: v1(64.25,19.05) 60.54,19.05 59.98,18.49 59.98,17.24 57.94,15.2 54.87,15.2 54.35,14.67 54.35,14.15
  L6_GND.Cu w0.2: v1(64.25,19.05) 64.25,19.5 64.2,19.55
/EPAPER DRIVER/VGH: length 8
  L1_GND+GNDA.Cu w0.2: J10.5 44.65,11.4 44.65,12.3 42.8,12.3 42.55,12.55 42.55,15.65 43.55,16.65
/EPAPER DRIVER/VGL: length 4
  L1_GND+GNDA.Cu w0.2: 46.3,17.3 46.3,16.95 44.4,15.05 J10.4
/EPAPER DRIVER/VPP: length 4
  L1_GND+GNDA.Cu w0.2: J10.19 51.9,11.7 52.6,12.4 v1(53.85,12.4)
  L6_GND.Cu w0.2: v1(53.85,12.4) 54.15,12.7 54.9,12.7
/EPAPER DRIVER/VSH: length 12.3
  L4_GND.Cu w0.18: v1(59.8,20.51) 59.8,19.84 53.34,13.38 v1(52.17,13.38)
  L6_GND.Cu w0.18: C23.1 59.16,19.87 v1(59.8,20.51)
/EPAPER DRIVER/VSL: length 8.6
  L1_GND+GNDA.Cu w0.2: C27.1 57.74,9.93 57.37,9.93 57,10.3 57,11.2 55.25,12.95 53.6,12.95 53.33,13.22 53.33,13.92
/EPD_BUSY: length 48.2
  L1_GND+GNDA.Cu w0.18: v1(46.3,12.6) 46.6,12.6
  L1_GND+GNDA.Cu w0.2: J10.9 46.9,12.3 46.6,12.6
  L3_3v8+GNDA.Cu w0.2: 46.55,12.6 46.55,12.37 45.87,11.7 41.5,11.7 39.59,13.6 35.4,13.6 33.2,15.8 31.18,15.8 31.03,15.95 30.57,15.95 30.5,15.88 v1(28.76,17.63)
  L6_GND.Cu w0.2: 20.1,37.3 20.1,36.33 18.9,35.13 18.9,30.71 19.95,29.66 19.95,28.84 19.85,28.74 19.85,27.66 22.75,24.76 22.75,23.25 23.32,22.68 25.27,22.68 26.8,21.14 26.8,19.59 v1(28.76,17.63)
/EPD_CS: length 50
  L3_3v8+GNDA.Cu w0.2: v1(21.79,39.23) 22.6,40.04 28.37,40.04 39.91,28.5 46.24,28.5 v1(49.87,32.13)
  L6_GND.Cu w0.18: U8.18 51.45,25.74
  L6_GND.Cu w0.2: U8.18 51.45,23.53 51.5,23.47 51.56,23.53 53.67,23.53 R26.2 ; v1(21.79,39.23) 21.79,38.98 22.1,38.67 22.1,37.25 ; v1(49.87,32.13) 49.87,29.62 51.33,28.16 51.33,26.82 51.69,26.47 51.69,25.97 51.45,25.74
/EPD_DC: length 40.2
  L3_3v8+GNDA.Cu w0.2: v1(50.4,28.26) 49.56,29.1 48.5,29.1 47.5,28.1 39.74,28.1 30.1,37.75 27.06,37.75 26.59,37.28 26.07,37.28 25.39,37.96 22.02,37.96 v1(21.38,38.6)
  L6_GND.Cu w0.18: U8.17 51.05,25.51
  L6_GND.Cu w0.2: 51.05,25.51 50.56,26 50.56,28.1 v1(50.4,28.26) ; v1(21.38,38.6) 21.6,38.38 21.6,37.25
/EPD_RESET: length 47.2
  L1_GND+GNDA.Cu w0.2: v1(37.4,33.79) 37.5,33.89 R27.2
  L2_3v3+GNDA.Cu w0.2: 37.92,34.62 43.9,28.65 46.3,28.65 48.05,30.4 48.05,30.85 48.45,31.25 v1(48.45,32.15) ; 37.92,34.62 37.4,34.1 v1(37.4,33.79) ; 37.92,34.62 37.23,35.32 28.06,35.32 27.84,35.1 24.7,35.1 24.07,34.47 21.27,34.47 v1(20.72,35.02)
  L6_GND.Cu w0.18: U8.14 49.85,24.98
  L6_GND.Cu w0.2: v1(48.45,32.15) 48.45,29.66 47.8,29.01 47.8,27.8 48.65,26.95 48.65,25.8 49.29,25.17 49.66,25.17 49.85,24.98 ; 20.6,37.4 20.6,36.34 20.37,36.1 20.37,35.37 v1(20.72,35.02)
/GPIO1: length 14.3
  L1_GND+GNDA.Cu w0.2: GPIO1.1 30.05,21.5 28.46,23.09 v1(28.32,23.09)
  L5_3v8.Cu w0.2: v1(20.95,24.65) 21.9,23.7 27.71,23.7 v1(28.32,23.09)
  L6_GND.Cu w0.2: v1(20.95,24.65) 20.95,23.75 20.1,22.9 20.1,21.95
/GPIO3: length 16.7
  L1_GND+GNDA.Cu w0.2: v1(27.62,22.8) 27.62,21.53 29.15,20
  L5_3v8.Cu w0.2: v1(20,24.65) 20.9,23.75 20.9,22.19 21.34,21.75 26.57,21.75 v1(27.62,22.8)
  L6_GND.Cu w0.2: v1(20,24.65) 19.1,23.75 19.1,21.95
/GPIO4: length 7.3
  L1_GND+GNDA.Cu w0.2: GPIO4.1 2.89,32.11 v1(4.36,32.11)
  L6_GND.Cu w0.2: v1(4.36,32.11) 4.59,32.11 5.85,30.85 5.85,30.25 6.4,29.7 6.92,29.7 7.3,30.07 U4.39
/LED_1A: length 66.9
  L2_3v3+GNDA.Cu w0.2: v1(60.51,17.11) 60.3,17.32 53.01,17.32 52.89,17.45 49.88,17.45 49.88,17.45 48.8,17.45 48.69,17.35 45.86,17.35 44.56,16.05 38.83,16.05 36.33,18.55 27.94,18.55 24.94,15.55 21.85,15.55 21.19,14.89 18.56,14.89 15.35,18.09 v1(15.35,18.75)